# Altium PCB FlyControl.PcbDoc
Units mm, origin at the board's own origin, x right, y up, seen from the top; angles counter-clockwise.
Board outline 66.04 x 44.45 mm, 2 copper layers (Top Layer, Bottom Layer); 74 components, 88 nets, 389 pads, 133 vias.
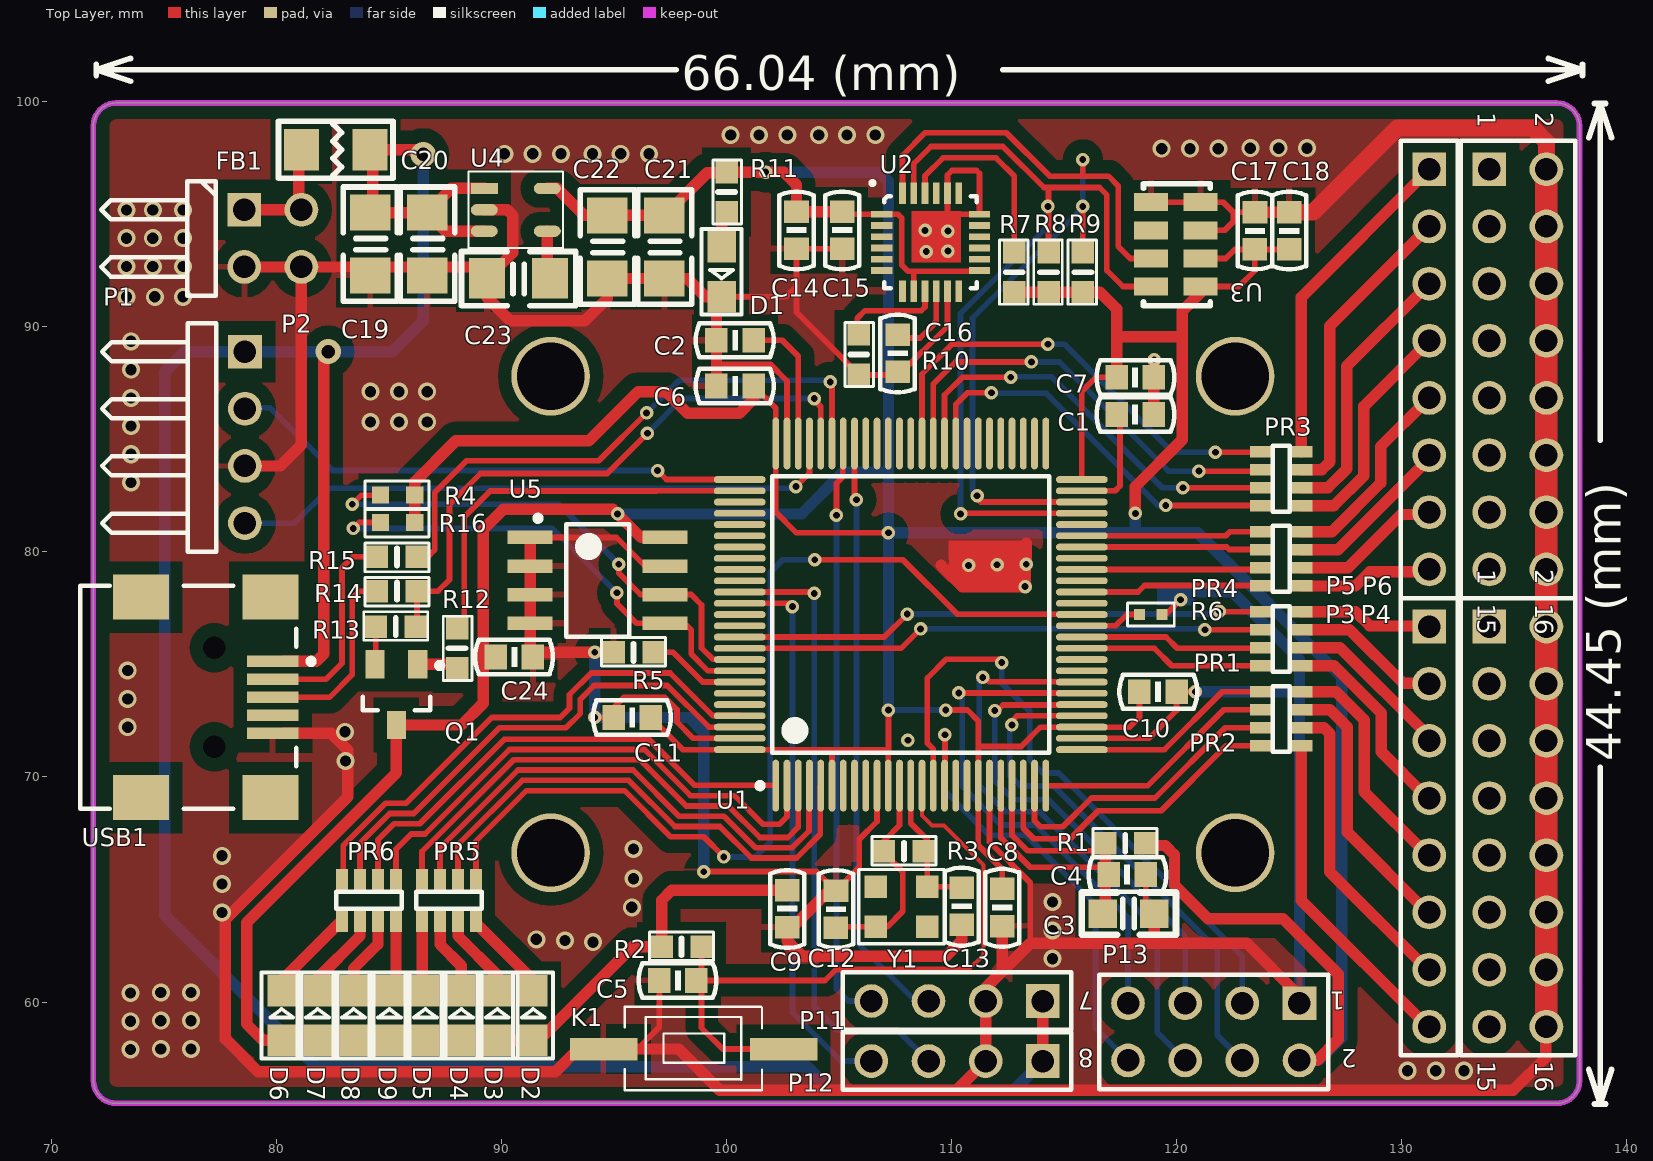
[diagram p0: Top Layer view]
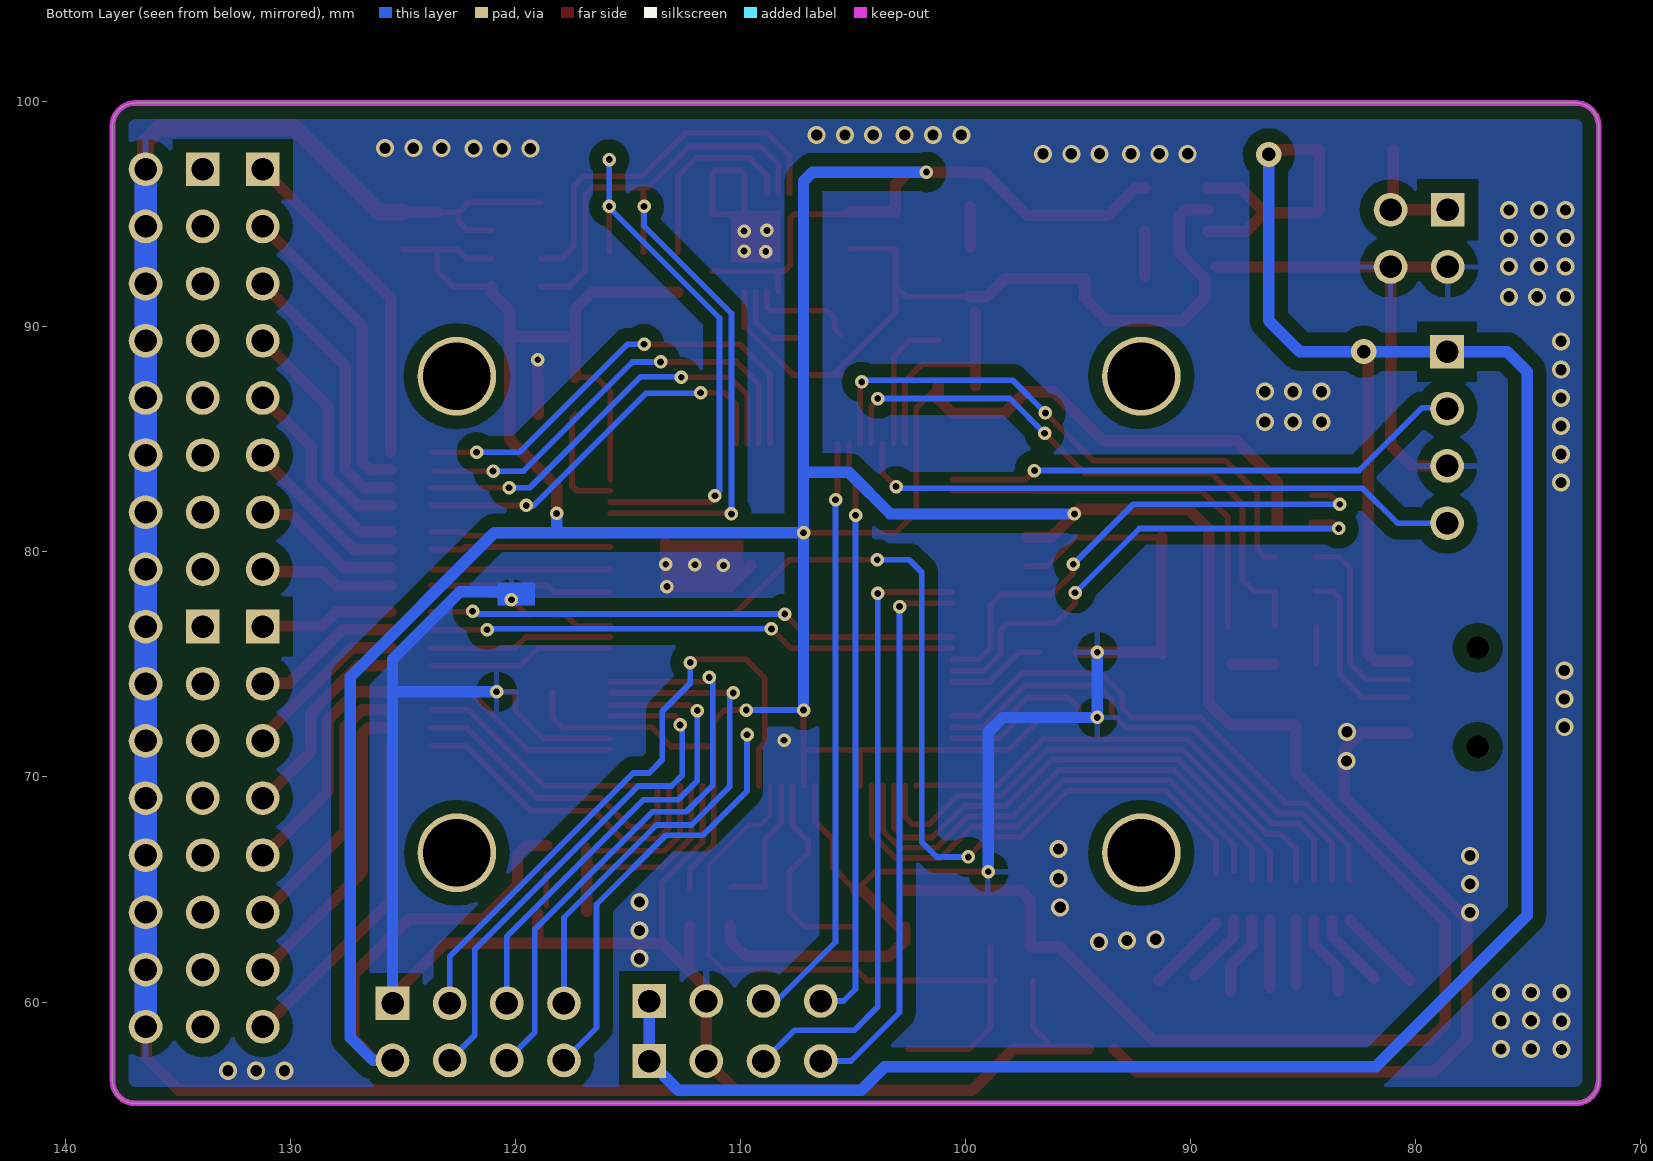
[diagram p1: Bottom Layer view, seen from below]
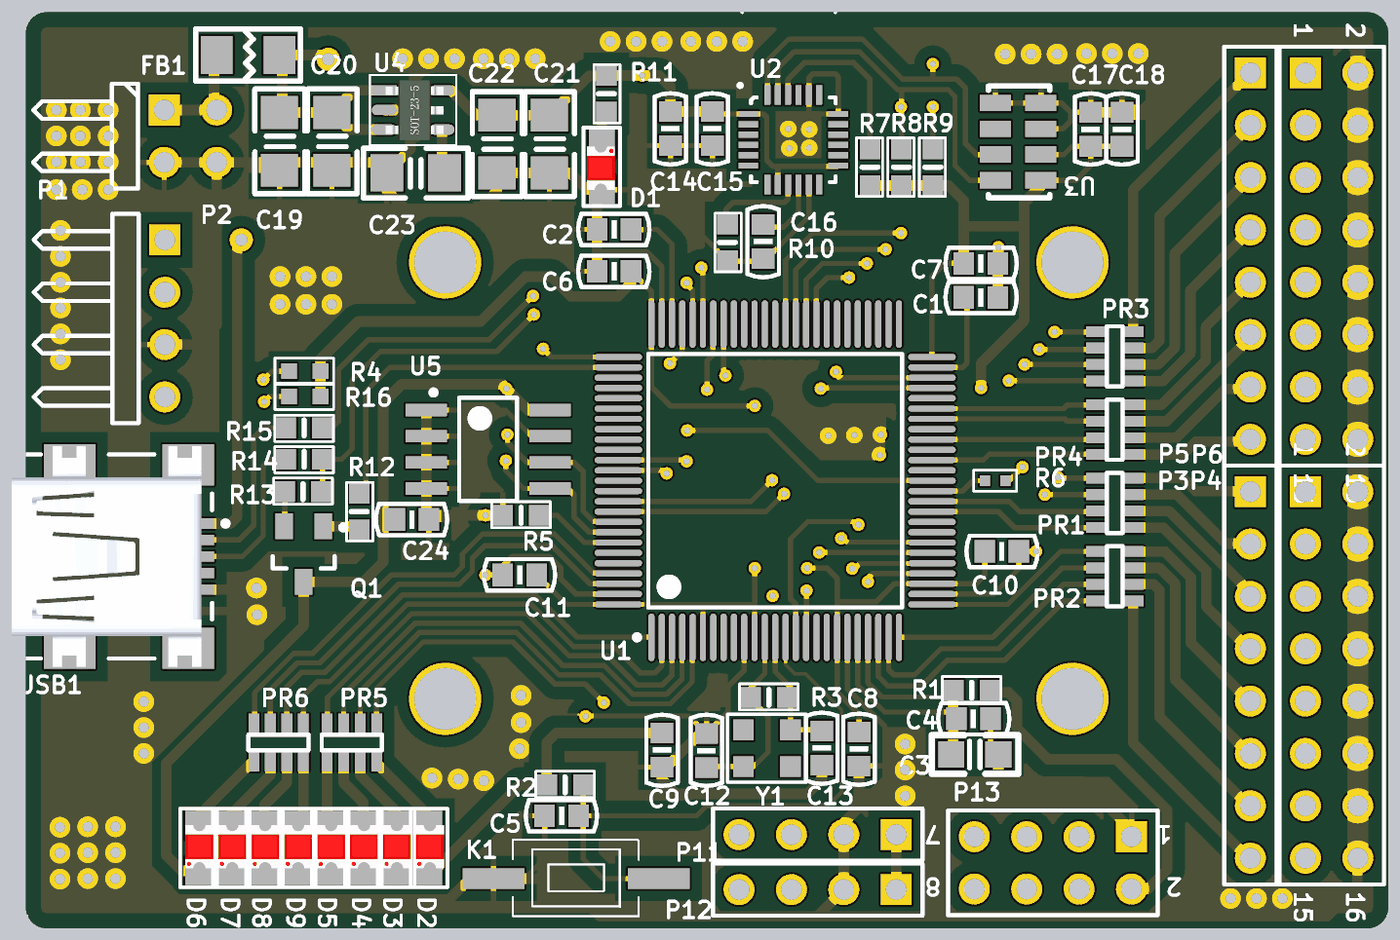
[diagram p2: 3D render of the assembled board from above, using the file's embedded part models]

## Layer stack, top to bottom
Top Layer: signal copper 0.0356
Dielectric: dielectric 0.32, FR-4, Dk 4.8
Bottom Layer: signal copper 0.0356

## Board outline
71.882,56.515 ccw(c72.898,56.515) 72.898,55.499 136.906,55.499 ccw(c136.906,56.515) 137.922,56.515 137.922,98.933 ccw(c136.906,98.933) 136.906,99.949 72.898,99.949 ccw(c72.898,98.933) 71.882,98.933

## Design rules (kind name [scope] priority, off if disabled: settings)
Clearance [All] p1: gap=0.178
HoleSize [All] p1: absolutevalues=TRUE maxlimit=5 minlimit=0.025 maxpercent=80.000 minpercent=20.000
MinimumSolderMaskSliver [All] p1: minsoldermaskwidth=0.051
PolygonConnect [All] p1: connectstyle=Relief reliefconductorwidth=0.254 reliefentries=4 polygonreliefangle="90 Angle"
RoutingVias [All] p1: holewidth=0.711 width=1.27 viastyle="Through Hole" minholewidth=0.3 minwidth=0.3 maxholewidth=0.711 maxwidth=1.27
SilkToSilkClearance [All] p1: silktosilkclearance=0
SilkscreenOverComponentPads [All] p1: minsilkscreentomaskgap=0
SolderMaskExpansion [All] p1: expansion=0.102
TestPointUsage [All] p1: valid=0 allowmultiple=FALSE
Testpoint [All] p1: side=15 testpointundercomponent=TRUE minsize=1.016 maxsize=2.54 preferedsize=1.524 minholesize=0 maxholesize=1.016 preferedholesize=0.813 testpointgrid=0.025 style=1023 order=0123456789
Width [All] p1: maxlimit=4 minlimit=0.152 preferedwidth=0.254
20 further rules are at their usual default settings.

## Classes and differential pairs
component class EEPROM: C24 R4 R16 U5
net class PWM_OUT[0..7]: PWM_OUT0 PWM_OUT1 PWM_OUT2 PWM_OUT3 PWM_OUT4 PWM_OUT5 PWM_OUT6 PWM_OUT7
net class PWM_IN[0..7]: PWM_IN0 PWM_IN1 PWM_IN2 PWM_IN3 PWM_IN4 PWM_IN5 PWM_IN6 PWM_IN7
net class LED[0..7]: LED0 LED1 LED2 LED3 LED4 LED5 LED6 LED7
component class USB: Q1 R12 R13 R14 R15 USB1
component class SWD: P1
component class "Serial2 Communication": P12
component class "Serial1 Communication": P11
component class RF_Connet: P13
component class POWER: C19 C20 C21 C22 C23 D1 FB1 P2 R11 U4
component class MCU: C1 C2 C3 C4 C5 C6 C7 C8 C9 C10 C11 C12 C13 K1 R1 R2 R3 R5 R6 U1 Y1
component class LED_Statues: D2 D3 D4 D5 D6 D7 D8 D9 PR5 PR6
component class IMU: C14 C15 C16 R7 R8 R9 R10 U2
component class FlyControl_PWM: P3 P4 P5 P6 PR1 PR2 PR3 PR4
component class Barometer: C17 C18 U3

## Components (designator, comment, footprint, x,y, rotation, side; value= is the part's Value field where it differs from the comment)
C1 "2.2uF/0603" C0603 118.999,86.106 r180 top
C2 "2.2uF/0603" C0603 99.568,89.408 r0 top
C3 "10uF/0805" C0805 119.024,63.932 r180 top
C4 "0.1uF/0603" C0603 118.643,65.67 r180 top
C5 "0.1uF/0603" C0603 97.028,60.96 r0 top
C6 "104/0603" C0603 99.568,87.376 r0 top
C7 "104/0603" C0603 118.999,87.757 r180 top
C8 "104/0603" C0603 112.268,63.373 r90 top
C9 "104/0603" C0603 102.718,63.322 r90 top
C10 "104/0603" C0603 120.015,73.787 r180 top
C11 "104/0603" C0603 94.996,72.644 r0 top
C12 "22p/0603" C0603 104.877,64.948 r270 top
C13 "22p/0603" C0603 110.465,63.424 r90 top
C14 "0.1uF" C0603 103.124,93.472 r90 top
C15 "10nF" C0603 105.156,93.472 r90 top
C16 "0.1uF" C0603 107.62,87.999 r90 top
C17 "10uF/0603" C0603 123.495,95.092 r270 top
C18 "104/0603" C0603 125.019,95.092 r270 top
C19 "22uF/1206" C1206 84.176,93.678 r90 top
C20 "104/0603" C1206 86.716,93.678 r90 top
C21 "22uF/1206" C1206 97.257,93.551 r90 top
C22 "104/0603" C1206 94.717,93.551 r90 top
C23 "104/0603" C1206 90.78,92.154 r0 top
C24 "104/0603" C0603 89.764,75.336 r0 top
D1 "LED" LED0805 99.797,93.551 r270 top
D2 "LED" LED0805 91.427,58.293 r90 top
D3 "LED" LED0805 89.83,58.293 r90 top
D4 "LED" LED0805 88.234,58.293 r90 top
D5 "LED" LED0805 86.637,58.293 r90 top
D6 "LED" LED0805 80.251,58.293 r90 top
D7 "LED" LED0805 81.848,58.293 r90 top
D8 "LED" LED0805 83.444,58.293 r90 top
D9 "LED" LED0805 85.041,58.293 r90 top
FB1 "NSMD050" R1206 82.652,97.869 r0 top
K1 "SW-PB" SW-PB-A1 98.552,57.912 r0 top
P1 "Header 4H" HDR1X4H 78.616,88.9 r270 top
P2 "Header 2X2H" HDR2X2H 78.588,95.202 r270 top
P3 "Header 8" HDR1X8 131.14,67.818 r270 top
P4 "Header 8X2" HDR2X8 133.909,76.683 r270 top
P5 "Header 8" HDR1X8 131.14,88.138 r270 top
P6 "Header 8X2" HDR2X8 133.909,97.003 r270 top
P11 "Header 4" HDR1X4 110.236,60.071 r180 top
P12 "Header 4" HDR1X4 110.236,57.404 r180 top
P13 "Header 4X2" HDR2X4 125.476,59.944 r180 top
PR1 "排阻" 8P4R-0603 123.774,77.343 r0 top
PR2 "排阻" 8P4R-0603 123.774,73.787 r0 top
PR3 "排阻" 8P4R-0603 123.774,84.455 r0 top
PR4 "排阻" 8P4R-0603 123.774,80.899 r0 top
PR5 "排阻" 8P4R-0603 88.887,65.405 r270 top
PR6 "排阻" 8P4R-0603 85.331,65.405 r270 top
Q1 "S8550" SOT-23 85.344,73.66 r180 top
R1 "10R/0603" R0603#1 117.754,67.08 r180 top
R2 "10K/0603" R0603#1 98.044,62.484 r180 top
R3 "1M/0603" R0603#1 107.925,66.726 r180 top
R4 "10K/0603" R0603#2 85.4,82.525 r180 top
R5 "0R/0603" R0603#1 95.91,75.565 r180 top
R6 "0R/0603" R0402 118.872,77.216 r0 top
R7 "10K/0603" R0603#1 112.776,92.456 r270 top
R8 "10K/0603" R0603#1 114.3,92.456 r270 top
R9 "10K/0603" R0603#1 115.824,92.456 r270 top
R10 "10K/0603" R0603#1 105.918,88.748 r90 top
R11 "RES" R0603#1 100.048,95.964 r90 top
R12 "10K/0603" R0603#1 88.067,75.692 r90 top
R13 "1.5K/0603" R0603#1 85.344,76.708 r180 top
R14 "22R/0603" R0603#1 85.344,78.232 r0 top
R15 "22R/0603" R0603#1 85.344,79.756 r0 top
R16 "10K/0603" R0603#2 85.4,81.305 r180 top
U1 "STM32F407" LQFP100-N 108.204,77.216 r90 top
U2 "MPU9250" QFN24 109.22,93.98 r0 top
U3 "MS5611" MS5611 121.082,91.79 r180 top
U4 "RT9193" SOT-23-5 90.653,95.202 r270 top
U5 "EEPROM" SOP8 91.288,80.645 r0 top
USB1 "USB-Mini" USB-MINI 79.756,69.088 r180 top
Y1 "XTAL" XTAL-3225 108.941,65.126 r180 top

## Footprints (in the part's own frame and the unit in brackets; to place one, negate y for a bottom-side part, rotate by r counter-clockwise, add the part's x,y. Pads: shape width x height; smd on the part's side, far side on the other; paste and mask are expansions set on the pad)
8P4R-0603 [mil]
  rect 40x20.62 smd: 1(0,0) 2(70,0) 3(0,-31.5) 4(70,-31.5) 5(0,-62.99) 6(70,-62.99) 7(0,-94.49) 8(70,-94.49)
  silkscreen extent 20,-105 50,10
C0603 [mm]
  rect 1x1.1 smd: 1(0,0) 2(1.651,-0.002)
  silkscreen extent -0.91,-0.76 2.54,0.76, body extent 0.03,-0.4 1.63,0.41, height 0.9
C0805 [mil]
  rect 50x50 smd: 1(0,0) 2(90,0)
  silkscreen extent -38,-37 127,37, body extent 5,-24 84,24, height 20
C1206 [mm]
  rect 1.6x1.8 smd: 1(-1.4,0) 2(1.4,0)
  silkscreen extent -2.54,-1.22 2.54,1.19, body extent -1.57,-0.81 1.63,0.8, height 1.02
HDR1X4 [mm]
  rect 1.5x1.5 hole 1: 1(-3.835,0.025)
  round 1.5 hole 1: 2(-1.295,0.025) 3(1.245,0.025) 4(3.785,0.025)
  silkscreen extent -5.11,-1.24 5.05,1.3, body extent -5.11,-1.24 5.05,1.3, height 8.6
HDR1X4H [mm] "Connector; Header; 4 Position; Right Angle"
  rect 1.5x1.5 hole 1: 1(0,0)
  round 1.5 hole 1: 2(2.54,0) 3(5.08,0) 4(7.62,0)
  silkscreen extent -1.27,-6.35 8.89,-1.27
HDR1X8 [mm]
  rect 1.5x1.5 hole 1: 1(-8.865,0.102)
  round 1.5 hole 1: 2(-6.325,0.102) 3(-3.785,0.102) 4(-1.245,0.102) 5(1.295,0.102) 6(3.835,0.102) 7(6.375,0.102) 8(8.915,0.102)
  silkscreen extent -10.13,-1.17 10.19,1.37, body extent -10.11,-1.17 10.21,1.37, height 8.6
HDR2X2H [mm] "Connector; Header; 2x2 Position; Right Angle"
  rect 1.5x1.5 hole 1: 1(0,0)
  round 1.5 hole 1: 2(0,2.54) 3(2.54,0) 4(2.54,2.54)
  silkscreen extent -1.27,-6.35 3.81,-1.27
HDR2X4 [mm] "Connector; Header; 4x2 Position"
  rect 1.5x1.5 hole 1: 1(0,0)
  round 1.5 hole 1: 2(0,2.54) 3(2.54,0) 4(2.54,2.54) 5(5.08,0) 6(5.08,2.54) 7(7.62,0) 8(7.62,2.54)
  silkscreen extent -1.27,-1.27 8.89,3.81
HDR2X8 [mm] "Connector; Header; 8x2 Position"
  rect 1.5x1.5 hole 1: 1(0,0)
  round 1.5 hole 1: 2(0,2.54) 3(2.54,0) 4(2.54,2.54) 5(5.08,0) 6(5.08,2.54) 7(7.62,0) 8(7.62,2.54) 9(10.16,0) 10(10.16,2.54) 11(12.7,0) 12(12.7,2.54) 13(15.24,0) 14(15.24,2.54) 15(17.78,0) 16(17.78,2.54)
  silkscreen extent -1.27,-1.27 19.05,3.81
LED0805 [mm]
  rect 1.4x1.27 smd: 1(2.21,0) 2(0,0)
  silkscreen extent -0.8,-0.89 3.01,0.89, body extent 0.12,-0.72 2.22,0.64, height 0.8
LQFP100-N [mm]
  oval 2.303x0.3 smd: 1(-7.6,6) 2(-7.6,5.5) 3(-7.6,5) 4(-7.6,4.5) 5(-7.6,4) 6(-7.6,3.5) 7(-7.6,3) 8(-7.6,2.5) 9(-7.6,2) 10(-7.6,1.5) 11(-7.6,1) 12(-7.6,0.5) 13(-7.6,0) 14(-7.6,-0.5) 15(-7.6,-1) 16(-7.6,-1.5) 17(-7.6,-2) 18(-7.6,-2.5) 19(-7.6,-3) 20(-7.6,-3.5) 21(-7.6,-4) 22(-7.6,-4.5) 23(-7.6,-5) 24(-7.6,-5.5) 25(-7.6,-6) 51(7.6,-6) 52(7.6,-5.5) 53(7.6,-5) 54(7.6,-4.5) 55(7.6,-4) 56(7.6,-3.5) 57(7.6,-3) 58(7.6,-2.5) 59(7.6,-2) 60(7.6,-1.5) 61(7.6,-1) 62(7.6,-0.5) 63(7.6,0) 64(7.6,0.5) 65(7.6,1) 66(7.6,1.5) 67(7.6,2) 68(7.6,2.5) 69(7.6,3) 70(7.6,3.5) 71(7.6,4) 72(7.6,4.5) 73(7.6,5) 74(7.6,5.5) 75(7.6,6)
  oval 0.3x2.303 smd: 26(-6,-7.6) 27(-5.5,-7.6) 28(-5,-7.6) 29(-4.5,-7.6) 30(-4,-7.6) 31(-3.5,-7.6) 32(-3,-7.6) 33(-2.5,-7.6) 34(-2,-7.6) 35(-1.5,-7.6) 36(-1,-7.6) 37(-0.5,-7.6) 38(0,-7.6) 39(0.5,-7.6) 40(1,-7.6) 41(1.5,-7.6) 42(2,-7.6) 43(2.5,-7.6) 44(3,-7.6) 45(3.5,-7.6) 46(4,-7.6) 47(4.5,-7.6) 48(5,-7.6) 49(5.5,-7.6) 50(6,-7.6) 76(6,7.6) 77(5.5,7.6) 78(5,7.6) 79(4.5,7.6) 80(4,7.6) 81(3.5,7.6) 82(3,7.6) 83(2.5,7.6) 84(2,7.6) 85(1.5,7.6) 86(1,7.6) 87(0.5,7.6) 88(0,7.6) 89(-0.5,7.6) 90(-1,7.6) 91(-1.5,7.6) 92(-2,7.6) 93(-2.5,7.6) 94(-3,7.6) 95(-3.5,7.6) 96(-4,7.6) 97(-4.5,7.6) 98(-5,7.6) 99(-5.5,7.6) 100(-6,7.6)
  silkscreen extent -7.72,-6.15 6.15,6.82, body extent -7,-7 7,7, height 0.8
MS5611 [mm]
  rect 1.5x0.8 smd: 1(0,0) 2(0,-1.25) 3(0,-2.5) 4(0,-3.75) 5(2.2,-3.75) 6(2.2,-2.5) 7(2.2,-1.25) 8(2.2,0)
  silkscreen extent -0.44,-4.57 2.54,0.85
QFN24 [mm]
  rect 0.95x0.3 smd: 1(-2.312,1.027) 2(-2.312,0.527) 3(-2.312,0.027) 4(-2.312,-0.473) 5(-2.312,-0.973) 6(-2.312,-1.473) 13(2.038,-1.473) 14(2.038,-0.973) 15(2.038,-0.473) 16(2.038,0.027) 17(2.038,0.527) 18(2.038,1.027)
  rect 0.3x0.95 smd: 7(-1.387,-2.398) 8(-0.887,-2.398) 9(-0.387,-2.398) 10(0.113,-2.398) 11(0.613,-2.398) 12(1.113,-2.398) 19(1.113,1.952) 20(0.613,1.952) 21(0.113,1.952) 22(-0.387,1.952) 23(-0.887,1.952) 24(-1.387,1.952)
  silkscreen extent -2.77,-2.27 1.91,2.46, body extent -2.16,-2.29 1.91,1.78, height 0.89
R0402 [mm]
  rect 0.5x0.5 smd: 1(-0.5,0) 2(0.5,0)
  silkscreen extent -1.04,-0.51 1.04,0.51, body extent -0.48,-0.26 0.52,0.26, height 0.5
R0603#1 [mm]
  rect 1x1 smd: 1(-0.864,0.025) 2(0.914,0.025)
  silkscreen extent -1.4,-0.64 1.45,0.64, body extent -0.83,-0.38 0.77,0.43, height 0.91
R0603#2 [mm]
  rect 0.762x0.762 smd: 1(0.762,0) 2(-0.762,0)
  silkscreen extent -1.4,-0.64 1.45,0.64, body extent -0.81,-0.41 0.79,0.4, height 0.91
R1206 [mm] "Chip Resistor, 2-Leads, Body 3.4x1.7mm, IPC Medium Density"
  rect 1.55x1.85 smd: 1(-1.524,0) 2(1.524,0)
  silkscreen extent -2.54,-1.27 2.54,1.27, body extent -1.6,-0.81 1.6,0.8, height 1
SOP8 [mm]
  rect 2x0.6 smd: 1(0,0) 2(0,-1.27) 3(0,-2.54) 4(0,-3.81) 5(6,-3.81) 6(6,-2.54) 7(6,-1.27) 8(6,0)
  silkscreen extent 0.23,-4.41 4.4,0.97, body extent -0.05,-4.34 6.05,0.56, height 1.51
SOT-23 [mm]
  rect 0.85x1.25 smd: 1(-0.95,-1.35) 2(0,1.35) 3(0.95,-1.35)
  silkscreen extent -2.05,-1.42 1.5,0.7, body extent -1.45,-1.12 1.47,1.17, height 1.04
SOT-23-5 [mm]
  rect 0.5x1.2 smd: 1(-0.95,-1.4)
  oval 0.5x1.2 smd: 2(0,-1.4) 3(0.95,-1.4) 4(0.95,1.4) 5(-0.95,1.4)
  silkscreen extent -1.7,-2.1 1.7,2.1, body extent -1.44,-1.33 1.46,1.47
SW-PB-A1 [mm]
  rect 3x1 smd: 1(-4,0) 2(4,0)
  silkscreen extent -3.06,-1.83 3.04,1.88, body extent -3.92,-1.85 3.97,2, height 2.5
USB-MINI [mm]
  rect 2.3x0.5 smd: 1(-0.1,-6.05) 2(-0.1,-5.25) 3(-0.1,-4.45) 4(-0.1,-3.65) 5(-0.1,-2.85)
  rect 2.5x2 smd: 6(0,0) 7(5.754,0) 8(0,-8.9) 9(5.754,-8.9)
  round 0.6 hole 1 unplated: MH1(2.5,-2.25) MH2(2.5,-6.65)
  silkscreen extent -1.92,-9.4 8.45,0.5, body extent -0.63,-9.79 8.57,0.91, height 3.95
XTAL-3225 [mm]
  rect 1x1 smd: 1(0,0) 2(2.286,1.778) 3(2.286,0) 4(0,1.778)
  silkscreen extent -0.76,-0.76 3.05,2.54, body extent -0.6,-0.6 2.89,2.38, height 0.76

## Part data
C1 C2 C3 C4 C5 C6 C7 C8 C9 C10 C11 C12 C13 C14 C15 C16 C17 C18 C19 C20 C21 C22 C23 C24: library part CAP, "无极性贴片电容"
FB1: library part FB, "Ferrite Beads Inductors Impedance:120Ω±25% Rated Current:1500mA DC Resistance:0.095Ω"
P1: "Header, 4-Pin, Right Angle"
P2: "Header, 2-Pin, Dual row, Right Angle"
P3 P5: "Header, 8-Pin"
P4 P6: "Header, 8-Pin, Dual row"
P11 P12: "Header, 4-Pin"
P13: "Header, 4-Pin, Dual row"
PR1 PR2 PR3 PR4 PR5 PR6: library part RES*4
R1 R2 R3 R4 R5 R6 R7 R8 R9 R10 R12 R13 R14 R15 R16: library part RES
U1: library part STM32F4, "STM32F407VGT6"
U3: "barometer"
U4: "RT9193-1.2, RT9193-1.8, RT9193-3.3"
U5: library part 24CXX

## Free pads (board coordinates)
  round 3.5 hole 3: 0(92.203,87.808) 0(122.617,87.808) 1(92.203,66.634) 1(122.617,66.634)

## Via types
v1: diameter 0.8, hole 0.5, Top Layer to Bottom Layer, 71 vias
v2: diameter 0.6, hole 0.3, Top Layer to Bottom Layer, 60 vias
v3: diameter 1.12, hole 0.6, Top Layer to Bottom Layer, 2 vias

## Nets (pads, with @x,y where several pads share a name; then routed paths per layer and width w, separated by ;. In a path a pad name is that pad's centre, name@x,y a point inside that pad or via, vN(x,y) a via of type N, cw(c..) or ccw(c..) an arc to the next point about the centre after c; other vN are vias at no path point)
BOOT0: R5.1 U1.94 | length 4.4
  Top Layer w0.254: R5.1 97.638,75.54 98.961,74.216 U1.94
BOOT1: R6.1 U1.37 | length 2.8
  Top Layer w0.254: U1.37 117.305,76.716 117.805,77.216 R6.1
GND: C1.1 C2.1 C3.1 C4.1 C5.1 C6.1 C7.1 C8.1 C9.1 C10.1 C11.1 C12.1 C13.1 C14.1 C15.1 C16.1 C17.1 C18.1 C19.1 C20.1 C21.1 C22.1 C23.1 C24.2 D1.1 K1.1 P1.3 P2.3 P2.4 P4.2 P4.4 P4.6 P4.8 P4.10 P4.12 P4.14 P4.16 P6.2 P6.4 P6.6 P6.8 P6.10 P6.12 P6.14 P6.16 P11.2 P12.2 P13.1 R5.2 R6.2 R10.1 U1.10 U1.20 U1.27 U1.74 U1.99 U2.11 U2.18 U2.20 U3.3 U3.4 U3.5 U4.2 U5.1 U5.2 U5.3 U5.4 U5.7 USB1.5 | length 424.1
  Top Layer w0.254: U5.1 95.123,80.645 96.393,79.375 U5.7 ; v2(94.158,72.644) C11.1 94.996,73.076 95.453,73.533 97.273,73.533 97.815,72.991 97.815,72.441 98.54,71.716 U1.99 ; 96.063,57.912 97.028,58.877 C5.1 ; v2(99.009,65.786) 99.027,65.803 104.021,65.803 C12.1 105.918,65.989 105.918,67.234 106.704,68.02 U1.10 ; 99.568,88.341 101.956,88.341 102.704,87.593 U1.74 ; D1.1 102.644,91.341 103.124,91.821 ; C15.1 C14.1 103.124,91.821 ; R10.1@105.562,87.884 105.588,87.859 107.112,87.859 107.671,87.859 109.833,90.021 U2.11 ; R10.1 103.124,90.653 103.124,91.821 ; v2@109.833,94.517 U2.20 109.833,96.752 110.033,96.952 111.125,96.952 111.258,96.819 U2.18 110.222,95.007 ; U1.20 111.704,67.11 113.513,65.301 113.513,62.611 ; U1.27 118.782,71.716 120.015,72.949 C10.1 v2(120.853,73.787) ; C3.1@118.643,64.313 C4.1 ; U3.5 U3.4 122.087,95.54 122.535,95.092 ; R6.2 119.532,77.216 v2(120.193,77.876) ; U3.3 122.154,94.29 122.535,94.671 122.535,95.092 ; C17.1 123.317,95.092 122.535,95.092
  Top Layer w0.5: C6.1 99.568,88.341 99.568,88.9 99.568,90.624 ; 109.906,56.083 110.236,56.083 134.976,56.083 136.423,57.531 P4.16@136.423,58.877 ; C17.1 C18.1
  Top Layer w0.508: P2.3 P2.4 ; P1.3 80.188,83.82 81.128,84.76 P2.4 ; USB1.5@80.364,71.938 82.443,71.938 83.185,71.196 83.185,69.112 77.749,63.677 77.749,58.354 79.207,56.896 92.405,56.896 K1.1@93.421,57.912 ; C23.1@88.872,92.662 P2.4 ; U4.2 90.272,95.202 90.526,94.948 90.526,93.3 C23.1 89.38,91.291 90.399,90.272 93.726,90.272 94.717,91.262 C22.1 C21.1 98.276,92.151 99.086,91.341 D1.1 ; C24.2@91.288,75.462 U5.4 U5.3 U5.2 U5.1 ; C24.2@91.365,75.54 v2(94.158,75.54) R5.2 ; K1.1 97.892,57.912 99.72,56.083 109.906,56.083 ; C9.1 102.718,62.713 103.403,62.027 109.753,62.027 110.465,62.738 C13.1 ; C9.1@102.946,63.322 104.572,64.948 C12.1 ; 109.55,79.4 110.49,78.461 v2(113.284,78.461) v2@113.284,79.4 ; 110.236,56.083 P12.2 P11.2 111.531,60.63 112.268,61.366 ; C8.1 112.268,61.366 ; v2(113.335,79.451) 113.335,80.391 ; C1.1 C7.1 119.024,87.782 v2(119.024,88.544) ; 119.024,62.713 C3.1 ; P13.1 125.476,60.274 123.139,62.611 113.513,62.611 112.268,61.366
  Top Layer w0.75: C18.1 126.08,95.092 129.819,98.831 135.839,98.831 136.449,98.222 P6.2 ; P4.16@136.423,58.877 P4.16 ; P4.14 P4.12 ; P4.10 P4.8 P4.6 P4.4 P4.2 P6.16 P6.14 P6.12 P6.10 P6.8 P6.6 P6.4
  Top Layer w1: P4.16 P4.14 P4.12 P4.10 P4.8 P4.6 P4.4 P4.2 P6.16 P6.14 P6.12 P6.10 P6.8 P6.6 P6.4 P6.2
  Bottom Layer w0.254: v2(120.193,77.876) v2@120.315,77.999
  Bottom Layer w0.508: v2(94.158,75.54) v2(94.158,72.644) 98.349,72.644 99.009,71.984 v2(99.009,65.786) ; v2@120.315,77.999 120.548,78.232 122.479,78.232 125.476,75.235 P13.1 ; v2(120.853,73.787) 125.298,73.787
  Bottom Layer w1: P4.16 P4.14 P4.12 P4.10 P4.8 P4.6 P4.4 P4.2 P6.16 P6.14 P6.12 P6.10 P6.8 P6.6 P6.4 P6.2
  other v1: 74.879,57.912 76.225,57.912 74.879,59.169 76.225,59.169 74.879,60.427 76.225,60.427 94.082,62.662 92.837,62.738 91.567,62.789 114.503,63.182 77.597,63.983 95.809,64.211 95.885,65.481 95.885,66.802 83.083,70.714 83.058,72.009
  other v2: 108.077,71.628 110.769,79.4 112.039,79.426 108.89,93.345 109.855,93.37 109.855,94.259 108.839,94.285
I2C1_SCL: R4.1 U1.92 U5.6 | length 22.8
  Top Layer w0.254: v2(83.388,82.118) 83.795,82.525 R4.1 ; v2(95.225,79.451) 95.225,79.07 96.19,78.105 U5.6 98.45,78.105 98.908,77.648 98.908,75.732 99.403,75.236 100.584,75.236 U1.92
  Bottom Layer w0.254: v2(83.388,82.118) 92.558,82.118 v2(95.225,79.451)
I2C1_SDA: R16.1 U1.93 U5.5 | length 22
  Top Layer w0.254: v2(83.43,81.042) 83.693,81.305 R16.1 ; v2(95.148,78.181) 95.148,77.699 96.012,76.835 U5.5 98.146,76.835 98.45,76.53 98.45,75.463 99.198,74.716 U1.93
  Bottom Layer w0.254: v2(83.43,81.042) 92.287,81.042 v2(95.148,78.181)
I2C_SCL: R8.1 U1.47 U2.23 U3.8 | length 40.3
  Top Layer w0.254: U2.23 108.333,97.259 ; 108.341,97.259 109.101,98.019 112.293,98.019 114.122,96.19 114.325,96.19 ; v2(110.414,81.686) 110.443,81.716 U1.47 ; R8.1 114.325,96.19 ; U3.8 117.633,91.79 116.916,92.507 116.916,95.86 116.586,96.19 114.325,96.19
  Bottom Layer w0.254: v2(110.414,81.686) 110.414,90.602 114.3,94.488 v2(114.3,95.352)
I2C_SDA: R9.1 U1.48 U2.24 U3.7 | length 41.8
  Top Layer w0.254: U2.24 107.833,97.622 108.839,98.628 112.446,98.628 114.376,96.698 116.992,96.698 117.424,96.266 117.424,93.574 117.958,93.04 U3.7 ; v2(111.15,82.499) 111.222,82.571 111.222,82.3 111.307,82.216 U1.48 ; R9.1 v2@115.849,95.326 ; 115.849,96.723 v2(115.849,97.434)
  Bottom Layer w0.254: v2(111.15,82.499) 110.947,82.702 110.947,90.399 115.849,95.301 v2(115.849,95.352) v2(115.849,97.434)
LED0: PR6.7 U1.97 | length 23.5
  Top Layer w0.254: PR6.7 82.982,65.456 82.982,66.952 84.864,68.834 85.776,68.834 89.583,72.641 92.631,72.641 93.04,73.05 93.04,73.66 94.005,74.625 97.511,74.625 99.4,72.736 100.584,72.736 U1.97
LED1: PR6.5 U1.98 | length 22.6
  Top Layer w0.254: PR6.5 83.731,67.055 85.053,68.377 86.118,68.377 89.928,72.187 92.888,72.187 93.523,72.822 93.523,73.457 94.132,74.066 97.387,74.066 99.237,72.216 U1.98 U1.98@100.584,72.236
LED2: PR6.3 U1.1 | length 22.2
  Top Layer w0.254: PR6.3 84.531,67.208 85.242,67.92 86.385,67.92 90.145,71.679 96.557,71.679 98.608,69.628 102.192,69.628 U1.1
LED3: PR6.1 U1.2 | length 23.5
  Top Layer w0.254: PR6.1 85.331,66.789 86.004,67.462 86.614,67.462 90.373,71.222 96.368,71.222 98.418,69.171 100.374,69.171 101.651,67.894 102.362,67.894 102.704,68.236 U1.2
LED4: PR5.7 U1.3 | length 23.2
  Top Layer w0.254: PR5.7 86.487,66.689 90.563,70.764 96.178,70.764 98.229,68.714 100.095,68.714 101.498,67.31 102.743,67.31 103.204,67.771 U1.3
LED5: PR5.5 U1.4 | length 23
  Top Layer w0.254: PR5.5 87.287,66.842 90.752,70.307 95.86,70.307 97.91,68.257 99.905,68.257 101.309,66.853 102.932,66.853 103.684,67.605 103.684,69.596 U1.4
LED6: PR5.3 U1.5 | length 22.5
  Top Layer w0.254: PR5.3@88.087,65.842 88.087,66.996 90.941,69.85 95.67,69.85 97.721,67.799 99.716,67.799 101.12,66.396 103.122,66.396 104.184,67.458 104.184,69.596 U1.5
LED7: PR5.1 U1.38 | length 44
  Top Layer w0.254: PR5.1@88.887,65.697 88.887,67.149 91.131,69.393 95.481,69.393 97.531,67.342 99.002,67.342 v2(99.898,66.446) ; v2(103.937,79.654) 107.848,79.654 110.267,77.236 115.784,77.236 U1.38
  Bottom Layer w0.254: v2(99.898,66.446) 101.295,66.446 101.956,67.107 101.956,79.096 102.514,79.654 v2(103.937,79.654)
NetC1_2: C1.2 U1.49 | length 5
  Top Layer w0.254: U1.49 117.285,82.716 117.5,82.931 117.5,85.955 C1.2
NetC2_2: C2.2 U1.73 | length 6.2
  Top Layer w0.254: C2.2 102.491,89.406 103.204,88.693 U1.73
NetC3_2: C3.2 C4.2 R1.2 U1.21 U1.22 | length 17
  Top Layer w0.254: U1.21 112.204,67.298 113.513,65.989 C4.2@116.84,65.989 ; U1.22 112.704,67.407 113.386,66.726 116.84,66.726 R1.2@116.84,66.954
  Top Layer w0.508: C3.2@116.84,64.033 R1.2@116.84,66.726
NetC16_2: C16.2 U2.10 | length 3.5
  Top Layer w0.254: C16.2@107.467,89.51 108.61,89.51 109.333,90.232 U2.10
NetC23_2: C23.2 U4.4 | length 2
  Top Layer w0.508: C23.2@92.053,92.281 U4.4
NetD1_2: D1.2 R11.1 | length 1.8
  Top Layer w0.508: D1.2 R11.1@99.797,95.329
NetD2_1: D2.1 PR5.2 | length 3.6
  Top Layer w0.508: PR5.2@88.887,63.5 D2.1@91.427,60.96
NetD3_1: D3.1 PR5.4 | length 3.2
  Top Layer w0.508: PR5.4 88.087,62.939 D3.1@89.83,61.195
NetD4_1: D4.1 PR5.6 | length 3.5
  Top Layer w0.508: PR5.6 87.287,62.56 88.234,61.613 D4.1
NetD5_1: D5.1 PR5.8 | length 3
  Top Layer w0.508: D5.1@86.487,60.653 PR5.8
NetD6_1: D6.1 PR6.8 | length 3.8
  Top Layer w0.508: D6.1@80.251,60.96 82.918,63.627 PR6.8
NetD7_1: D7.1 PR6.6 | length 3.4
  Top Layer w0.508: D7.1@81.848,61.055 83.731,62.939 PR6.6
NetD8_1: D8.1 PR6.4 | length 3.6
  Top Layer w0.508: D8.1 83.444,61.486 84.531,62.573 PR6.4
NetD9_1: D9.1 PR6.2 | length 2.8
  Top Layer w0.508: D9.1@85.331,60.793 PR6.2
NetQ1_1: Q1.1 R12.1 | length 1.9
  Top Layer w0.508: Q1.1 R12.1@88.16,75.01
NetQ1_3: Q1.3 R13.2 | length 1.6
  Top Layer w0.254: Q1.3@84.43,75.046 R13.2
NetR7_1: R7.1 U2.22 | length 8.8
  Top Layer w0.254: U2.22 108.833,96.717 ; 108.841,96.717 109.634,97.511 111.989,97.511 112.801,96.698 R7.1
NetR10_2: R10.2 U2.9 | length 4.7
  Top Layer w0.254: R10.2@105.562,89.662 105.829,89.929 105.829,90.386 106.166,90.723 108.675,90.723 108.833,90.881 U2.9
NetR14_1: R14.1 USB1.3 | length 8.1
  Top Layer w0.254: USB1.3@80.364,73.538 82.377,73.538 83.388,74.549 83.388,77.953 83.693,78.257 R14.1
NetR15_1: R15.1 USB1.2 | length 8.9
  Top Layer w0.254: USB1.2@80.364,74.338 82.212,74.338 82.931,75.057 82.931,79.299 83.414,79.781 R15.1
NRF_CE: P13.3 U1.15 | length 28.6
  Top Layer w0.254: U1.15 109.204,71.238 108.941,71.501 108.941,74.397 109.774,75.23 112.095,75.23 v2(112.243,75.082)
  Bottom Layer w0.254: v2(112.243,75.082) 112.243,74.168 113.487,72.923 113.487,70.764 114.071,70.18 114.783,70.18 122.936,62.027 P13.3
NRF_IRQ: P13.8 U1.16 | length 21.5
  Top Layer w0.254: U1.16@109.724,69.636 v2(109.724,71.882)
  Bottom Layer w0.254: v2(109.724,71.882) 109.724,72.1 109.728,72.1 109.728,69.367 111.684,67.412 113.335,67.412 116.408,64.338 116.408,58.852 P13.8
NRST: C5.2 K1.2 R2.1 U1.14 | length 29.8
  Top Layer w0.178: U1.14 108.704,68.283 109.144,67.843 109.677,67.843 111.428,66.093 111.428,63.996 111.426,63.994 111.426,62.099 110.769,61.443
  Top Layer w0.254: C5.2 104.392,60.958 104.877,61.443 110.769,61.443 ; R2.1 98.908,58.852 99.847,57.912 K1.2
OSC_IN: C12.2 R3.2 U1.12 Y1.2 | length 9.5
  Top Layer w0.254: C12.2 104.927,63.348 Y1.2 107.163,63.348 107.848,64.033 107.848,65.786 107.01,66.624 107.01,67.158 107.704,67.851 U1.12
OSC_OUT: C13.2 R3.1 U1.13 Y1.1 | length 6.3
  Top Layer w0.254: U1.13 108.204,67.945 108.941,67.208 Y1.1 110.415,65.126 C13.2
P_I0: P5.1 PR3.2 | length 14.8
  Top Layer w0.5: PR3.2 125.552,91.313 P5.1@131.14,96.901
P_I1: P5.2 PR3.4 | length 13.6
  Top Layer w0.5: PR3.4 126.48,83.655 126.822,83.997 126.822,90.043 P5.2@131.14,94.361
P_I2: P5.3 PR3.6 | length 12
  Top Layer w0.5: PR3.6 126.746,82.855 127.576,83.685 127.576,88.257 P5.3@131.14,91.821
P_I3: P5.4 PR3.8 | length 10.4
  Top Layer w0.5: PR3.8 127.013,82.055 128.33,83.373 128.33,86.471 P5.4@131.14,89.281
P_I4: P5.5 PR4.2 | length 9
  Top Layer w0.5: PR4.2 126.923,80.899 129.084,83.06 129.084,84.685 P5.5@131.14,86.741
P_I5: P5.6 PR4.4 | length 7.4
  Top Layer w0.5: PR4.4 127.189,80.099 131.14,84.05 P5.6@131.14,84.201
P_I6: P5.7 PR4.6 | length 6.6
  Top Layer w0.5: PR4.6 127.635,79.299 129.997,81.661 P5.7@131.14,81.661
P_I7: P5.8 PR4.8 | length 5.9
  Top Layer w0.5: PR4.8 125.565,78.486 127.965,78.486 128.6,79.121 P5.8@131.14,79.121
P_O0: P3.1 PR1.2 | length 5.9
  Top Layer w0.5: PR1.2 127.965,77.343 128.6,76.708 P3.1@131.14,76.708
P_O1: P3.2 PR1.4 | length 6.6
  Top Layer w0.5: PR1.4 127.699,76.543 130.074,74.168 P3.2@131.14,74.168
P_O2: P3.3 PR1.6 | length 7.4
  Top Layer w0.5: PR1.6 127.279,75.743 131.14,71.882 P3.3@131.14,71.628
P_O3: P3.4 PR1.8 | length 9
  Top Layer w0.5: PR1.8 127.013,74.943 129.108,72.848 129.108,71.12 P3.4@131.14,69.088
P_O4: P3.5 PR2.2 | length 10.5
  Top Layer w0.5: PR2.2 127.103,73.787 128.354,72.535 128.354,69.334 P3.5@131.14,66.548
P_O5: P3.6 PR2.4 | length 12
  Top Layer w0.5: PR2.4 126.836,72.987 127.6,72.223 127.6,67.548 P3.6@131.14,64.008
P_O6: P3.7 PR2.6 | length 13.6
  Top Layer w0.5: PR2.6 126.57,72.187 126.822,71.935 126.822,65.786 P3.7@131.14,61.468
P_O7: P3.8 PR2.8 | length 14.8
  Top Layer w0.5: PR2.8 125.552,64.516 P3.8@131.14,58.928
PWM_IN0: PR3.1 U1.62 | length 20.7
  Top Layer w0.254: U1.62 108.704,87.901 110.033,89.23 v2(114.3,89.23) ; v2(121.742,84.43) PR3.1@123.749,84.43
  Bottom Layer w0.254: v2(114.3,89.23) 115.037,89.23 119.837,84.43 v2(121.742,84.43)
PWM_IN1: PR3.3 U1.61 | length 19.5
  Top Layer w0.254: U1.61 109.204,87.462 110.185,88.443 v2(113.563,88.443) ; v2(121.006,83.591) PR3.3@123.609,83.591
  Bottom Layer w0.254: v2(113.563,88.443) 114.808,88.443 119.659,83.591 v2(121.006,83.591)
PWM_IN2: PR3.5 U1.60 | length 18.6
  Top Layer w0.254: U1.60 109.704,86.971 110.49,87.757 v2(112.649,87.757) ; v2(120.294,82.855) PR3.5
  Bottom Layer w0.254: v2(112.649,87.757) 112.674,87.782 114.452,87.782 119.38,82.855 v2(120.294,82.855)
PWM_IN3: PR3.7 U1.59 | length 17.6
  Top Layer w0.254: U1.59 110.204,86.557 110.719,87.071 v2(111.785,87.071) ; v2(119.532,82.067) PR3.7@123.762,82.067
  Bottom Layer w0.254: v2(111.785,87.071) 111.811,87.046 114.224,87.046 119.202,82.067 v2(119.532,82.067)
PWM_IN4: PR4.1 U1.45 | length 8
  Top Layer w0.254: U1.45 122.199,80.716 122.382,80.899 PR4.1
PWM_IN5: PR4.3 U1.44 | length 8
  Top Layer w0.254: U1.44 122.247,80.216 122.352,80.112 123.762,80.112 PR4.3
PWM_IN6: PR4.5 U1.42 | length 7.9
  Top Layer w0.254: U1.42 PR4.5@123.691,79.216
PWM_IN7: PR4.7 U1.40 | length 8.1
  Top Layer w0.254: U1.40 118.297,78.216 118.588,78.507 123.767,78.507 PR4.7
PWM_OUT0: PR1.1 U1.90 | length 23.5
  Top Layer w0.254: U1.90 107.026,76.216 v2(108.052,77.241) ; v2(121.92,77.368) 121.945,77.343 PR1.1
  Bottom Layer w0.254: v2(108.052,77.241) v2@121.793,77.241
PWM_OUT1: PR1.3 U1.91 | length 23.5
  Top Layer w0.254: U1.91 107.771,75.716 v2(108.636,76.581) ; v2(121.272,76.543) PR1.3
  Bottom Layer w0.254: v2(108.636,76.581) v2@121.234,76.581
PWM_OUT2: PR1.5 U1.36 | length 8.2
  Top Layer w0.254: U1.36 119.542,76.216 120.04,75.717 123.749,75.717 PR1.5
PWM_OUT3: PR1.7 U1.35 | length 8.3
  Top Layer w0.254: U1.35 119.026,75.716 ; 119.034,75.708 119.799,74.943 PR1.7
PWM_OUT4: PR2.1 U1.26 | length 9
  Top Layer w0.254: U1.26 119.476,71.216 122.047,73.787 PR2.1
PWM_OUT5: PR2.3 U1.25 | length 11
  Top Layer w0.254: U1.25 118.74,69.616 122.111,72.987 PR2.3
PWM_OUT6: PR2.5 U1.24 | length 13.6
  Top Layer w0.254: U1.24 113.704,68.058 113.97,67.793 114.96,67.793 116.23,69.063 119.05,69.063 122.174,72.187 PR2.5
PWM_OUT7: PR2.7 U1.23 | length 14.4
  Top Layer w0.254: U1.23 113.204,67.72 113.665,67.259 115.291,67.259 116.535,68.504 119.329,68.504 122.212,71.387 PR2.7
RF_CONNET.SPI1_MISO: P13.7 U1.31 | length 23.3
  Top Layer w0.254: v2(110.338,73.736) 111.52,73.736 U1.31@115.784,73.736
  Bottom Layer w0.254: v2(110.338,73.736) 110.49,73.584 110.49,69.571 112.192,67.869 113.741,67.869 117.856,63.754 P13.7
RF_CONNET.SPI1_MOSI: P13.6 U1.32 | length 26.5
  Top Layer w0.254: v2(111.404,74.422) 111.506,74.422 111.692,74.236 115.784,74.236 U1.32
  Bottom Layer w0.254: v2(111.404,74.422) 111.303,74.524 111.252,74.524 111.252,69.621 112.42,68.453 113.919,68.453 119.151,63.221 119.151,58.649 P13.6
RF_CONNET.SPI1_NSS: P13.4 U1.29 | length 23.5
  Top Layer w0.254: v2(112.7,72.314) 112.7,72.492 112.924,72.716 U1.29 U1.29@115.784,72.696
  Bottom Layer w0.254: v2(112.7,72.314) 112.624,72.314 112.598,72.288 112.598,70.079 113.081,69.596 114.554,69.596 121.818,62.332 121.818,58.522 P13.4
RF_CONNET.SPI1_SCK: P13.5 U1.30 | length 21.6
  Top Layer w0.254: v2(111.938,72.949) 112.053,72.949 112.301,73.196 115.784,73.196 U1.30
  Bottom Layer w0.254: v2@112.001,73.089 112.001,73 111.95,72.949 v2(111.938,72.949) 111.938,69.825 112.776,68.986 114.325,68.986 120.396,62.916 P13.5
SW_CLK: P1.2 U1.76 | length 23.3
  Top Layer w0.254: v2(96.952,83.617) 97.353,83.216 U1.76
  Bottom Layer w0.254: P1.2 78.667,86.411 79.731,86.411 82.525,83.617 v2(96.952,83.617)
SW_DIO: P1.4 U1.72 | length 27.3
  Top Layer w0.254: v2(103.099,82.906) 103.704,83.511 U1.72
  Bottom Layer w0.254: P1.4 80.823,81.28 82.372,82.829 103.048,82.829 103.099,82.88 v2(103.099,82.906)
USART1_RX: P11.4 U1.69 | length 26.1
  Top Layer w0.254: v2(104.902,81.636) 104.902,83.052 105.184,83.334 105.184,84.796 U1.69
  Bottom Layer w0.254: v2(104.902,81.636) 104.902,60.579 105.435,60.046 P11.4
USART1_TX: P11.3 U1.68 | length 26.5
  Top Layer w0.254: U1.68 105.704,82.408 v2(105.791,82.321)
  Bottom Layer w0.254: v2(105.791,82.321) 105.791,62.662 108.407,60.046 P11.3
USART2_RX: P12.4 U1.87 | length 24.8
  Top Layer w0.254: U1.87 102.802,77.716 v2(102.946,77.572)
  Bottom Layer w0.254: v2(102.946,77.572) 102.946,59.538 105.105,57.379 P12.4
USART2_TX: P12.3 U1.86 | length 27.8
  Top Layer w0.254: U1.86 103.851,78.216 v2(103.911,78.156)
  Bottom Layer w0.254: v2(103.911,78.156) 103.911,59.792 104.953,58.75 107.62,58.75 P12.3
USB_DM: R15.2 U1.70 | length 25.9
  Top Layer w0.254: R15.2 86.741,79.781 87.046,80.086 87.046,82.626 88.468,84.049 94.336,84.049 v2(96.465,86.178) v2@96.482,86.17 ; v2(104.623,87.554) 104.704,87.472 U1.70
  Bottom Layer w0.254: v2(96.465,86.178) 97.917,87.63 104.546,87.63 v2(104.623,87.554)
USB_DP: R13.1 R14.2 U1.71 | length 26.8
  Top Layer w0.254: R13.1@86.258,76.733 R14.2 87.198,78.257 87.706,78.765 87.706,82.118 89.078,83.49 94.717,83.49 v2(96.504,85.277) ; v2(103.911,86.817) 103.886,86.792 103.886,86.766 104.204,86.448 U1.71
  Bottom Layer w0.254: v2(96.504,85.277) 98.044,86.817 v2(103.911,86.817)
USB_RST: R12.2 U1.77 | length 17.7
  Top Layer w0.254: R12.2@88.367,76.632 88.367,81.559 89.515,82.708 96.895,82.708 ; 96.903,82.716 U1.77 U1.77@100.584,82.736
VCC: FB1.1 P2.1 P2.2 | length 5.3
  Top Layer w0.508: P2.1 P2.2 81.001,95.329 FB1.1@81.001,97.869
VCC3V3: C6.2 C7.2 C8.2 C9.2 C10.2 C11.2 C14.2 C15.2 C17.2 C18.2 C21.2 C22.2 C24.1 D2.2 D3.2 D4.2 D5.2 D6.2 D7.2 D8.2 D9.2 P13.2 Q1.2 R1.1 R2.2 R4.2 R7.2 R8.2 R9.2 R11.2 R16.2 U1.6 U1.11 U1.19 U1.28 U1.50 U1.75 U1.100 U2.1 U2.8 U2.13 U3.1 U3.2 U4.5 U5.8 | length 294.4
  Top Layer w0.254: C11.2 98.073,71.216 U1.100 107.194,71.216 107.204,71.206 U1.11 ; C6.2 102.204,86.389 U1.75 102.204,81.768 103.124,80.848 v2(107.213,80.848) ; U1.6 104.704,71.185 ; C15.2@105.274,95.007 U2.1 107.634,95.007 107.798,94.844 107.798,92.761 108.082,92.476 U2.13@111.258,92.476 ; 107.213,71.006 v2(107.213,72.974) ; U2.8 108.333,92.302 ; v2(109.753,72.974) 110.719,72.974 111.204,72.489 111.204,71.326 ; C8.2 112.27,65.898 111.204,66.963 U1.19 111.204,71.326 ; U1.50 115.804,87.127 116.435,87.759 C7.2 ; C10.2 118.364,72.644 117.936,72.216 U1.28 113.974,72.216 113.109,71.351 111.229,71.351 111.204,71.326 ; U3.1 122.778,91.79 123.493,92.505 C17.2 ; U3.2 122.199,93.04 122.6,93.441 C17.2 ; C18.2 C17.2
  Top Layer w0.508: R16.2 R4.2 86.162,83.114 87.986,84.938 93.904,84.938 96.088,87.122 97.333,87.122 98.298,86.157 100.584,86.157 101.219,86.792 C6.2 ; U4.5 92.497,96.152 93.698,94.951 C21.2 99.159,96.853 R11.2@99.797,96.853 ; U5.8 96.215,80.645 v2(95.174,81.686) 94.971,81.89 90.094,81.89 89.205,81.001 89.205,73.279 88.236,72.31 Q1.2 85.344,70.18 78.689,63.525 78.689,59.03 79.426,58.293 D6.2 D7.2 D8.2 D9.2 D5.2 D4.2 D3.2 D2.2 91.669,58.293 95.834,62.459 R2.2 97.13,64.516 97.587,64.973 C9.2 ; R11.2 v2(101.752,96.879) 102.562,96.879 103.126,96.315 C14.2 C15.2 ; R7.2 R8.2 R9.2 116.611,91.542 117.348,90.805 117.348,89.56 ; C7.2 117.348,89.56 ; v2(118.186,81.712) 118.186,82.906 120.269,84.988 120.269,89.535 ; R1.1@118.618,66.954 119.507,66.954 119.923,66.539 119.923,65.192 121.412,63.703 124.739,63.703 127.203,61.239 127.203,58.344 126.263,57.404 P13.2 ; U3.1 121.082,91.516 120.269,90.703 120.269,89.535 ; 117.348,89.56 120.244,89.56 120.269,89.535
  Bottom Layer w0.254: v2(107.213,72.974) v2(109.753,72.974)
  Bottom Layer w0.508: v2(95.174,81.686) 103.353,81.686 105.207,83.541 107.213,83.541 ; v2(101.752,96.879) 106.804,96.879 107.213,96.469 107.213,83.541 ; v2(107.213,72.974) v2(107.213,80.848) ; v2(118.186,81.712) 118.186,81.001 118.339,80.848 120.955,80.848 127.356,74.447 127.356,58.42 126.34,57.404 P13.2 ; 118.22,80.848 v2(107.213,80.848) ; v2(107.213,80.848) 107.213,83.541
VCC5V0: C19.2 C20.2 FB1.2 P1.1 P11.1 P12.1 U4.1 U4.3 USB1.1 | length 121.8
  Top Layer w0.508: 81.361,75.138 80.364,75.138 81.793,75.138 82.118,75.463 82.118,88.646 82.347,88.875 v3(82.321,88.9) ; v3(86.538,97.663) 86.332,97.869 84.303,97.869 84.303,95.205 84.43,95.078 C20.2 ; U4.3 87.542,94.252 C20.2 ; U4.1 87.79,96.152 C20.2 ; P12.1 P11.1
  Bottom Layer w0.508: v3(86.538,97.663) 86.538,90.272 85.166,88.9 P1.1 75.946,88.9 75.057,88.011 75.057,63.856 81.788,57.125 103.607,57.125 104.648,56.083 112.776,56.083 P12.1 P11.1
pads on no net: P4.1 P4.3 P4.5 P4.7 P4.9 P4.11 P4.13 P4.15 P6.1 P6.3 P6.5 P6.7 P6.9 P6.11 P6.13 P6.15 U1.7 U1.8 U1.9 U1.17 U1.18 U1.33 U1.34 U1.39 U1.41 U1.43 U1.46 U1.51 U1.52 U1.53 U1.54 U1.55 U1.56 U1.57 U1.58 U1.63 U1.64 U1.65 U1.66 U1.67 U1.78 U1.79 U1.80 U1.81 U1.82 U1.83 U1.84 U1.85 U1.88 U1.89 U1.95 U1.96 U2.2 U2.3 U2.4 U2.5 U2.6 U2.7 U2.12 U2.14 U2.15 U2.16 U2.17 U2.19 U2.21 U3.6 USB1.4 USB1.6 USB1.7 USB1.8 USB1.9 USB1.MH1 USB1.MH2 Y1.3 Y1.4
copper on no net:
  other v1: 130.277,56.947 131.534,56.947 132.791,56.947 73.533,57.887 73.533,59.144 73.533,60.401 114.503,61.925 114.503,64.44 77.597,65.24 77.597,66.497 73.406,72.212 73.406,73.469 73.406,74.727 73.558,83.083 73.558,84.341 73.558,85.598 84.201,85.776 85.458,85.776 86.716,85.776 73.558,86.843 84.201,87.122 85.458,87.122 86.716,87.122 73.558,88.1 73.558,89.357 73.355,91.338 74.612,91.338 75.87,91.338 73.355,92.685 74.524,92.685 75.87,92.685 73.355,93.942 74.524,93.942 75.87,93.942 73.355,95.199 74.524,95.199 75.87,95.199 90.145,97.688 91.402,97.688 92.659,97.688 94.056,97.688 95.313,97.688 96.571,97.688 119.355,97.917 120.612,97.917 121.869,97.917 123.292,97.942 124.549,97.942 125.806,97.942 100.203,98.527 101.46,98.527 102.718,98.527 104.115,98.527 105.372,98.527 106.629,98.527

## Polygon pours and split planes (outlines as drawn)
GND on Top Layer "Top Layer-No Net" (solid, remove dead copper, pour order 1000): 71.526,100.482 136.957,100.482 137.871,99.568 137.871,56.007 137.287,55.423 72.187,55.423 72.111,55.499 72.111,55.55 71.45,56.21
GND on Bottom Layer "Top Layer-No Net" (solid, remove dead copper, pour order 1001): 71.704,100.94 138.227,100.94 138.455,100.711 138.455,56.109 137.465,55.118 72.72,55.118 71.704,56.134

## Keep-outs
Keep-Out Layer:
  the board outline again, w0.254

## Other copper
Top Layer:
  rectangle net GND: 108.229,92.862 110.439,95.148
  rectangle net GND: 109.88,78.689 113.233,80.518
Bottom Layer:
  rectangle net GND: 119.151,77.63 120.809,78.638

## Silkscreen, mask and mechanical layers (free items; w line width, h text height)
Top Overlay:
  lines w0.254: 72.009,101.168 72.009,101.676 ; 73.533,100.914 72.009,101.422 ; 73.533,101.93 72.009,101.422 ; 97.767,101.422 72.009,101.422 ; 112.291,101.422 138.049,101.422 ; 136.525,100.914 138.049,101.422 ; 136.525,101.93 138.049,101.422 ; 138.049,101.168 138.049,101.676 ; 138.328,56.998 138.836,55.474 ; 138.328,98.4 138.836,99.924 ; 138.582,55.474 139.09,55.474 ; 138.582,99.924 139.09,99.924 ; 138.836,70.436 138.836,55.474 ; 138.836,84.961 138.836,99.924 ; 139.344,56.998 138.836,55.474 ; 139.344,98.4 138.836,99.924
  text "66.04 (mm)" at 98.021,100.508 h1.52
  text "44.45 (mm)" at 139.751,70.69 h1.52 r90

## Text inside footprints (layer, text, board x,y; h text height)
P4: Top Overlay "16" at 135.941,57.379 h0.8 r270; Top Overlay "15" at 133.401,57.379 h0.8 r270; Top Overlay "1" at 133.401,79.223 h0.8 r270; Top Overlay "2" at 135.941,79.223 h0.8 r270
P6: Top Overlay "16" at 135.941,77.699 h0.8 r270; Top Overlay "15" at 133.401,77.699 h0.8 r270; Top Overlay "1" at 133.401,99.543 h0.8 r270; Top Overlay "2" at 135.941,99.543 h0.8 r270
P13: Top Overlay "8" at 116.332,57.912 h0.8 r180; Top Overlay "7" at 116.332,60.452 h0.8 r180; Top Overlay "1" at 127.508,60.452 h0.8 r180; Top Overlay "2" at 128.016,57.912 h0.8 r180